# KiCad board CEM.kicad_pcb (continued)
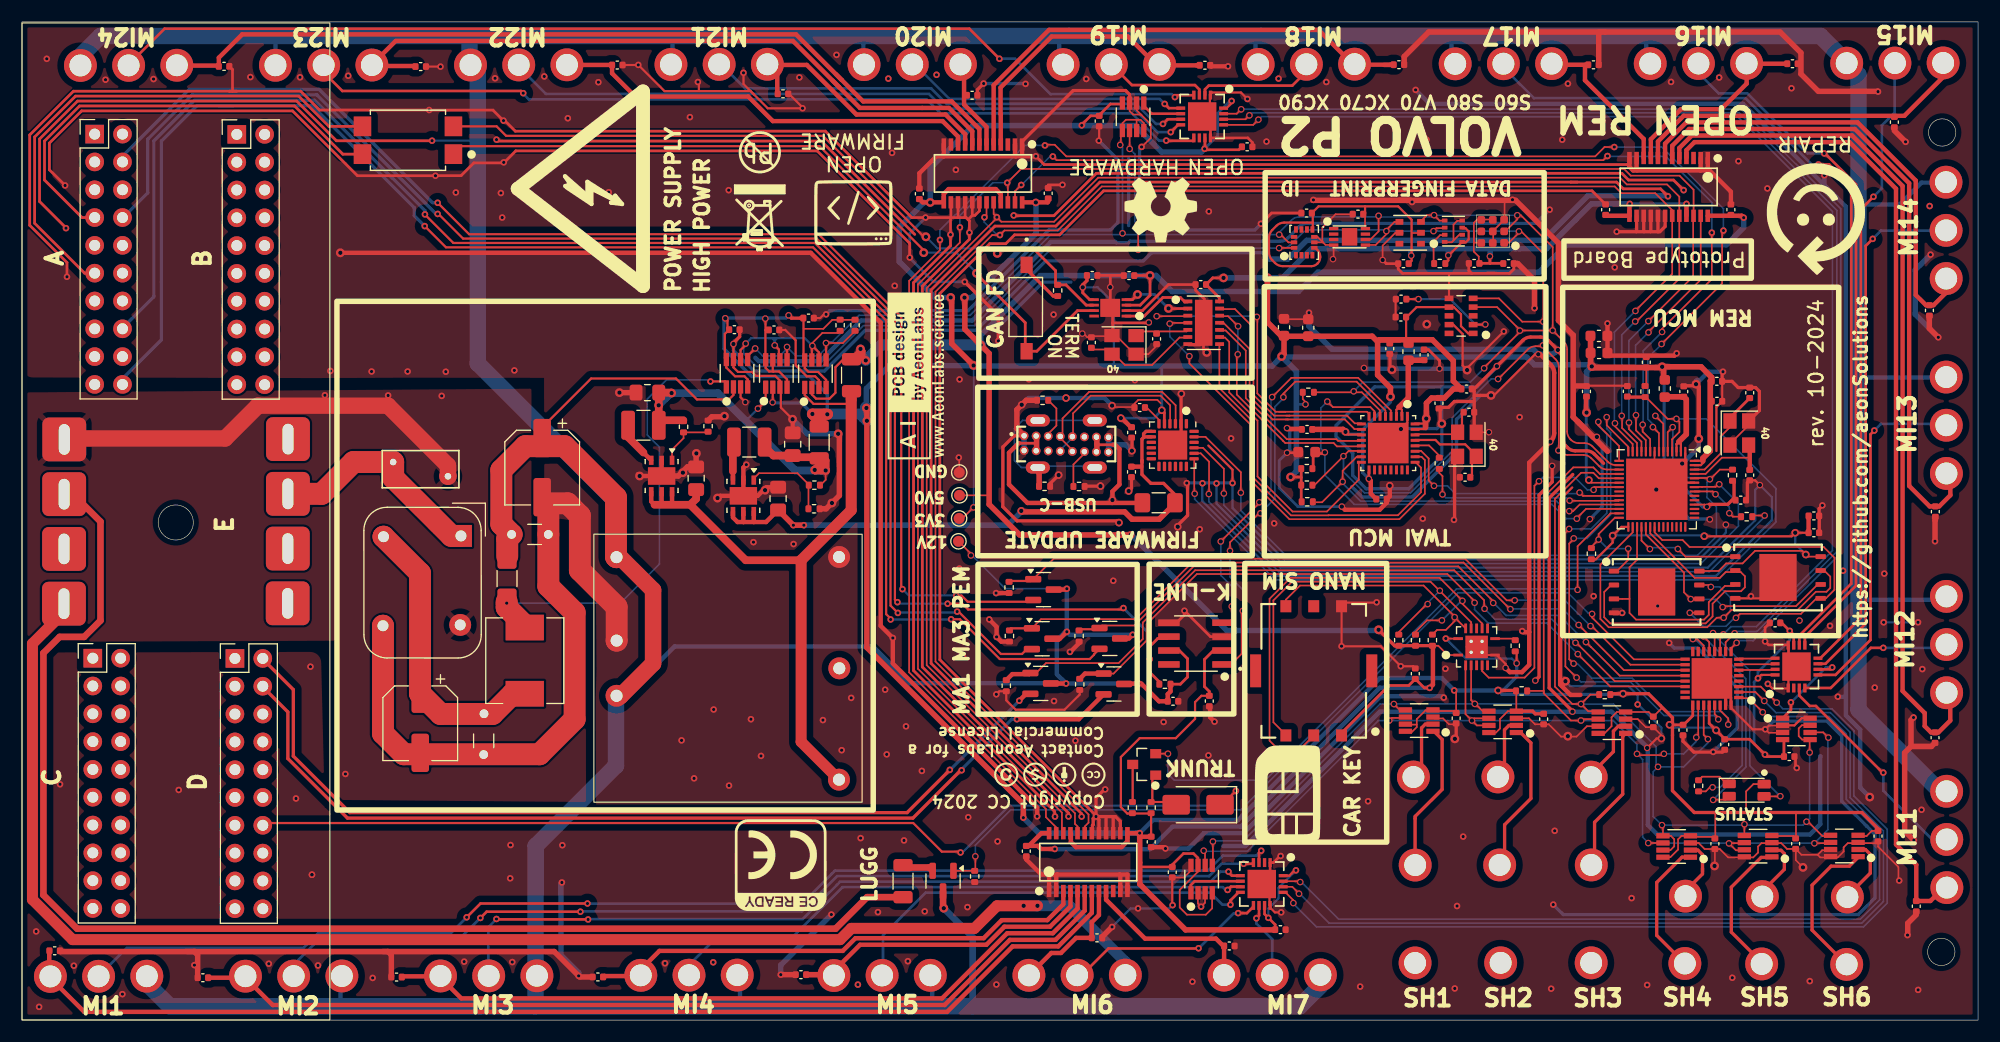
[diagram p0: board, top side]
## Routing (per net, layer and track width the routed paths; a pad name or vN(x,y) marks a point on that pad's centre or on a via; arc(x,y) is an arc through that point) (continued)
S3_I2C_SCL_5V0: length 39.2
  Top w0.15: J2.C3 115.35,26.06 114.21,27.2 114.21,38.34 115.91,40.04 128.55,40.04 132.26,36.34 TXS1.12 ; S3P52_R3.2 125.65,35.43 128.26,38.04
  Bottom w0.15: v4(128.29,38) 128.29,38.11 v4(129.4,39.22)
S3_I2C_SCL_C3: length 168.2
  Top w0.15: INA12.7 101.73,82.23 101.89,82.23 ; MPR3.1 74.92,61.84 v4(73.38,61.84) ; 127.59,72.89 128.22,73.52 v4(128.87,73.52) 129.37,73.02 129.77,73.02 129.81,72.98 ; 101.89,82.23 100.75,82.23 100.43,81.91 INA12.5 ; 101.89,82.23 102.09,82.23 102.39,81.93 102.39,81.16 ; U16.4 134.62,65.12 136.83,62.91 136.87,62.91 ; 135.31,72.07 135.41,72.07 136.47,73.14 v4(136.47,73.51) 136.79,73.51 139.7,70.6 v4(139.7,62.99) ; v4(100.23,79.93) 100.29,79.99 100.29,81.01 100.44,81.16 ; v4(133.44,59.54) 133.44,59.6 136.83,62.99 arc(136.83,62.99) 136.83,62.99 v4(139.7,62.99) ; 123.94,55.19 123.94,55.69 122.28,57.34 C3P6_R1.2 ; 122.61,71.3 123.07,71.3 123.81,72.04 123.81,73.38 ; v4(139.7,62.99) 140.72,61.97 arc(140.93,61.64) 141.01,61.26 141.01,53.77 arc(141.09,53.39) 141.3,53.06 141.38,52.99 arc(141.7,52.77) 142.08,52.7 142.62,52.7 arc(143,52.62) 143.32,52.4 144.74,50.99 arc(145.06,50.77) 145.45,50.69 145.76,50.69 ; v4(114.74,71.74) 114.88,71.74 115.59,71.03 116.06,71.03
  Top w0.2: v4(69.83,61.48) 69.83,60.31 ; v4(73.38,61.84) 73.39,61.83 INA2.5 ; 66.24,60.34 66.24,60.67 v4(66.92,61.34)
  Bottom w0.15: v4(121.54,57.43) 122.38,58.27 132.17,58.27 v4(133.44,59.54) ; v4(100.23,79.93) 100.44,79.72 v4(100.44,71.86) ; v4(100.44,71.86) 100.56,71.75 114.74,71.75 v4(114.74,71.74) 114.74,71.94 115.87,73.07 arc(116.19,73.28) 116.57,73.36 123.79,73.36 123.81,73.38 123.84,73.35 128.7,73.35 v4(128.87,73.52) 128.88,73.51 v4(136.47,73.51) 136.57,73.41 ; v4(100.44,71.86) 100.33,71.75 93.9,71.75 86.53,64.38 76.39,64.38 73.97,61.95 73.49,61.95 v4(73.38,61.84) 73.38,61.36 72.68,60.66 70.65,60.66 v4(69.83,61.48) 69.83,61.33 69.16,60.66 67.6,60.66 v4(66.92,61.34)
  Bottom w0.2: v4(69.83,61.48) 69.98,61.48 70.02,61.44
  vias: v4(123.81,73.46) v4(136.7,62.97)
S3_I2C_SDA: length 143.6
  Top w0.15: 145.75,49.89 144,49.89 143.41,50.48 141.58,50.48 138.88,47.78 138.88,38.82 ; v4(124.78,27.36) 125.02,27.6 126.18,27.6 INA4.6 ; v4(152.8,25.82) 152.8,25.92 152.98,26.1 KTS1.26 ; v4(163.58,16.15) 163.59,16.16 165.06,16.16 ; 138.88,38.65 138.88,38.82 ; 138.88,38.82 138.88,29.85 ; 107.76,15.44 107.97,15.23 107.97,14.06 ; v4(132.33,27.36) 131.74,27.95 131.74,32.39 TXS1.2 ; v4(132.33,27.36) 132.78,26.92 133.88,26.92 ; v4(132.33,27.36) 132.53,27.56 133.88,27.56 ; v4(148.42,16.17) 148.43,16.18 INA7.6 ; MPR6.1 138.88,30.07 138.88,29.85 ; 138.88,29.85 141.37,27.36 v4(142.28,27.36) 142.41,27.49 INA6.6 ; 163.18,26.28 164.38,26.28 v4(164.86,25.8) ; v4(147.39,24.32) 147.51,24.2 149.73,24.2 v4(149.85,24.32) ; 157.19,15.51 156.42,15.51 v4(155.79,16.14) 155.81,16.16 157.19,16.16
  Bottom w0.15: 148.39,16.23 147.91,16.72 147.91,23.81 v4(147.39,24.32) 147.39,25.19 145.22,27.36 v4(142.28,27.36) 124.6,27.36 124.47,27.23 ; 163.68,16.15 163.66,16.17 v4(148.42,16.17) ; v4(152.8,25.82) 152.8,25.46 151.66,24.32 v4(149.85,24.32) ; v4(163.58,16.15) 164.82,17.39 164.82,25.76 v4(164.86,25.8) ; v4(124.78,27.36) 123.78,27.36 111.84,15.42 107.78,15.42
  vias: v4(107.85,15.47)
S3_I2C_SDA_5VO: length 22.8
  Top w0.15: v4(130.75,36.8) 130.75,36.44 129.95,35.64 129.15,35.64 S3P52_R4.2 ; v4(130.75,36.8) 130.75,36.86 127.92,39.69 116.64,39.69 115.35,38.4 J2.C7 ; v4(130.75,36.8) 130.75,36.78 TXS1.13 ; J2.C7 115.2,37.95 115.2,38.15 ; J2.C7 115.53,37.98
S3_I2C_SDA_C3: length 183.3
  Top w0.15: 129.81,72.33 129.09,72.33 v4(128.82,72.06) ; v4(101.87,70.35) 101.87,72.61 v4(101.83,72.65) ; 145.75,50.29 144.66,50.29 arc(144.28,50.36) 143.96,50.58 143.21,51.33 arc(142.88,51.54) 142.5,51.62 141.04,51.62 arc(140.66,51.7) 140.33,51.91 v4(140.22,52.03) 140.26,52.07 140.26,59.64 arc(140.18,60.02) 139.97,60.35 138.82,61.5 v4(138.82,61.63) 138.74,61.55 138.13,61.55 arc(137.75,61.47) 137.43,61.25 134.73,58.56 v4(134.71,58.56) ; v4(114.73,70.51) 114.75,70.53 116.06,70.53 ; 122.61,70.8 123.54,70.8 124.53,71.79 124.53,72.17 125.25,72.89 125.62,72.89 ; C3P14_R1.2 117.95,48.86 121.08,51.99 122.24,51.99 ; v4(72.14,61.58) 72.14,61.85 73.05,62.76 74.48,62.76 MPR4.1 74.69,62.94 74.69,62.8 ; 101.09,81.16 v4(101.09,79.57) ; U16.5 134.79,65.92 136.92,63.79 v4(138.84,63.79) 138.84,70.02 136.82,72.04 v4(136.62,72.04) 136.62,71.92 135.72,71.02 135.31,71.02
  Top w0.2: 65.59,60.34 65.59,61.2 66.12,61.74 ; INA1.6 69.08,60.41 69.08,61.25 v4(68.7,61.63) ; INA2.6 72.74,60.98 v4(72.14,61.58) 72.09,61.53 INA2.7
  Bottom w0.15: v4(134.71,58.56) 134.08,58.56 130.53,55.01 130.53,51.97 126.72,48.16 122.52,48.16 120.61,50.07 v4(120.61,51.51) ; v4(66.05,61.79) 65.87,61.61 65.87,60.87 67.03,59.71 73.07,59.71 76.78,63.42 86.92,63.42 94,70.51 v4(114.73,70.51) 115.06,70.51 arc(115.44,70.59) 115.76,70.8 116.84,71.88 arc(117.16,72.09) 117.54,72.17 124.53,72.17 124.63,72.07 128.81,72.07 v4(128.82,72.06) 128.83,72.07 136.59,72.07 v4(136.62,72.04) 136.65,72.07 ; 138.84,63.84 138.82,63.82 v4(138.82,61.63) ; v4(101.09,79.57) 101.57,79.09 101.57,72.91 v4(101.83,72.65)
  Bottom w0.2: v4(72.14,61.58) 71.43,62.29 68.16,62.29 ; 68.16,62.29 66.55,62.29 v4(66.05,61.79) ; 68.16,62.29 68.45,62.29 68.7,62.04 v4(68.7,61.63) 68.7,62.06 68.92,62.28
  vias: v4(124.52,72.06)
S3_SPI2-MISO: length 156.2
  Top w0.15: 87.82,73.25 88.03,73.46 U10.19 ; 146.99,51.92 146.99,52.62 145.38,54.23 v4(145.38,54.51) ; U12.19 96.99,17.68 97.34,18.03 97.34,18.78 83.37,32.75 83.37,66.53 88.54,71.7 v3(89.25,71.7) 89.67,72.12 94.53,72.12 98.55,76.14 145.36,76.14 145.97,75.53 149.06,75.53 150.61,73.97 150.61,68.16 147.24,64.79
  Bottom w0.15: v4(145.38,54.51) 145.33,54.56 145.33,62.85 v4(147.25,64.77) ; 87.82,73.25 87.82,72.89 89.01,71.7 v3(89.25,71.7)
  vias: v3(87.84,73.32)
S3_SPI2-MOSI: length 161.6
  Top w0.15: v4(148.43,63.84) 152.52,67.93 152.52,73.42 U11.22 152.56,75.84 151.28,77.12 146.83,77.12 146.21,77.74 91.18,77.74 89.98,76.54 U10.22 ; U12.22 94.91,17.2 94.91,18.95 81.77,32.09 81.77,67.19 85.6,71.02 v3(85.6,72.4) ; 147.8,51.93 147.8,52.83 146.66,53.97 v4(146.66,54.57)
  Bottom w0.15: v4(148.43,63.84) 146.66,62.07 v4(146.66,54.57) ; v3(89.92,76.48) 88.61,76.48 85.6,73.47 v3(85.6,72.4)
S3_SPI2-SCK: length 157.1
  Top w0.15: v3(88.97,73.33) 89.38,72.92 94.2,72.92 98.22,76.94 145.84,76.94 146.46,76.33 150.14,76.33 151.26,75.2 U11.20 151.26,67.72 147.34,63.81 v4(147.23,63.81) ; v3(88.97,73.33) 88.68,73.62 U10.20 ; v3(88.97,73.33) 88.97,73.26 82.57,66.86 82.57,32.42 96.1,18.89 96.1,17.92 96.34,17.69 U12.20 ; v4(146,55.19) 146.03,55.16 146.03,54.08 147.39,52.71 147.39,51.92
  Bottom w0.15: 147.22,63.71 147.23,63.72 v4(147.23,63.81) 146,62.58 v4(146,55.19)
SIMCARD_RST: length 31.2
  Top w0.15: TXS1.5 133.26,31.89 133.86,31.28 137.14,31.28 138.03,32.17 138.03,48.8 v4(138.45,49.22) ; ESP32S1.21 143.51,48.68 143.33,48.5
  Bottom w0.15: v4(138.45,49.22) 138.79,49.56 141.73,49.56 142.86,48.43 v4(143.43,48.43)
SIMCARD_RST_5V0: length 45.9
  Top w0.15: TXS1.10 133.26,36.22 131.46,38.02 v4(131.46,38.29) 131.46,38.31 129.38,40.39 115.77,40.39 113.86,38.48 113.86,25.52 114.48,24.9 116.79,24.9 J2.C2 ; v4(129.59,36.51) 128.23,36.51 127.18,35.46 S3P52_R2.2
  Bottom w0.15: v4(129.59,36.51) 131.37,38.29 v4(131.46,38.29)
SPICLK: length 22.1
  Top w0.15: 164.16,39.79 163.88,39.79 161.9,37.81 155.3,37.81 v4(155.21,37.72) ; EPS1.6 152.32,38.47 v4(152.3,38.45) 151.68,39.07 151.68,40.87 150.44,42.12 150.44,42.12 148.2,44.36 ESP32S1.33
  Bottom w0.15: v4(152.3,38.45) 152.32,38.43 154.58,38.43 155.21,37.8 v4(155.21,37.72)
SPICS0: length 10.5
  Top w0.15: ESP32S1.32 147.8,43.8 v4(148.57,43.03) ; ESP_FLASH1.1 151.82,42.33 v4(151.12,43.03)
  Bottom w0.15: v4(148.57,43.03) 148.7,43.15 151,43.15 v4(151.12,43.03)
SPICS1: length 10
  Top w0.15: PSRAM_R1.1 143.23,43.23 v4(143.89,43.89) 143.89,44.4 145.37,45.88 ESP32S1.28 ; 146.62,43.16 146.59,43.13 146.59,42.04 145.56,41.01 EPS1.1
  Bottom w0.15: v4(146.59,43.06) 144.72,43.06 v4(143.89,43.89)
SPID: length 36.8
  Top w0.15: v4(156.42,36.74) 156.79,37.11 162.36,37.11 163.77,38.52 164.63,38.52 165.41,39.3 165.41,42.23 164.43,43.21 152.19,43.21 151.55,43.85 149.7,43.85 149,44.55 ESP32S1.35 ; v4(152.21,37.2) EPS1.5
  Bottom w0.15: v4(152.21,37.2) 153.44,35.97 155.52,35.97 156.29,36.74 v4(156.42,36.74)
SPIHD: length 40
  Top w0.15: ESP32S1.30 147,44.55 144.05,41.6 144.05,36.64 144.81,35.88 153.8,35.88 154.67,36.75 v4(155.3,36.75) 156.01,37.46 162.05,37.46 163.71,39.12 164.68,39.12 165.03,39.47 165.03,40.51 164.48,41.06 164.16,41.06 ; v4(154.13,39.56) 153.95,39.74 EPS1.7
  Bottom w0.15: v4(155.3,36.75) 155.32,36.75 155.91,37.34 155.91,38.6 154.95,39.56 v4(154.13,39.56)
SPIQ: length 31
  Top w0.15: ESP32S1.34 148.6,44.45 150.79,42.26 150.79,42.26 152.66,40.39 154.95,40.39 155.48,40.92 156.23,40.92 ESP_FLASH1.2 156.51,40.92 156.86,40.92 157.24,40.54 157.24,39.53 156.88,39.17 155.43,39.17 154.29,38.03 154.29,36.87 153.65,36.23 144.95,36.23 144.4,36.78 144.4,39.1 145.04,39.74 EPS1.2
SPIWP: length 21.5
  Top w0.15: ESP_FLASH1.3 156.23,39.65 155.42,39.65 153.94,38.17 153.94,37.01 153.51,36.58 147.31,36.58 146.71,37.18 146.71,38.47 ; 146.71,38.47 EPS1.3 ; 146.71,38.47 146.71,41.36 147.4,42.05 ESP32S1.31
TRUNK_BUTTON: length 93.9
  Top w0.2: 85.56,15.39 83.95,15.39 81.34,18 22.19,18 21.96,17.77 21.94,17.77 ; v3(110.79,20.94) 110.06,20.21 110.06,19.58
  Bottom w0.2: v3(110.79,20.94) 109.44,19.59 90.11,19.59 85.83,15.31 v3(85.66,15.31)
TRUNK_BUTTON_S3: length 56.9
  Top w0.15: ESP32S1.27 144.97,46.28 141.97,43.28 v4(141.97,39.3) ; NPN1.2 104.57,24.33
  Bottom w0.15: v4(104.59,24.33) 104.59,22.48 105.16,21.91 113.45,21.91 130.92,39.38 141.89,39.38 v4(141.97,39.3)
TXD0: length 62.2
  Top w0.15: v4(108.32,48.05) 108.34,48.07 108.34,51 107.58,51.77 106.98,51.77 ; S3P49_R1.1 158.02,46.09 v4(159.04,46.09)
  Bottom w0.15: 159.04,46 v4(159.04,46.09) 159.04,45.98 154.01,40.95 114.71,40.95 108.32,47.34 v4(108.32,48.05)
USB_5V0: length 59.7
  Top w0.3: 102.22,51.11 102.22,53.06 102.36,53.21 ; 102.22,51.11 102.22,49.84 103.03,49.02 104.19,49.02 105.27,47.94 105.27,47.24 ; 102.22,51.11 102.22,50.95 ; 102.36,53.21 102.36,53.55 102.59,53.77 103.09,53.77 ; 102.36,53.21 102.42,53.27 103.09,53.27
  Top w0.4: AUR1.5 65.84,45.5 65.85,45.49 ; AUR1.6 66.79,45.49 ; 66.79,45.49 65.85,45.49 ; 66.79,45.49 67.91,45.49 AUR_C2.1 ; 65.85,45.49 65.31,45.49 64.89,45.91 AUR1.4 ; 102.15,50.55 CHC1.1
  Top w0.5: 105.27,47.24 103.79,45.75 101.31,45.75 100.64,46.42 91.29,46.42 v1(91.2,46.51) ; AUR_C2.1 v3(70.4,45.2) v3(71.36,45.2)
  Bottom w0.5: v3(70.4,45.2) 73.59,45.2 ; v1(91.2,46.51) 91.2,46.44 89.97,45.21 71.37,45.21 v3(71.36,45.2)
USB_5V0F: length 28.3
  Top w0.25: 91.15,52.69 92.45,52.69 ; 99.61,52.55 98.31,52.55
  Top w0.4: 91.01,52.69 90.95,52.69 90.08,51.82 90.08,48.92 91.76,47.24 99.49,47.24 ; 99.49,47.24 102.3,47.24 ; 99.49,47.24 99.52,47.27 v1(99.52,47.5) 99.52,48.28 100.16,48.92 100.16,52.16 99.77,52.55 99.61,52.55
  Top w0.5: 98.1,53.24 98.1,51.88 ; 92.6,53.34 92.6,51.98
USB_D+: length 16.7
  Top w0.15: 94.97,53.15 94.97,54.95 97.39,57.38 104.06,57.38 105.29,56.15 105.29,54.47 ; 94.83,53.1 95.79,52.14
USB_D-: length 15.4
  Top w0.15: 104.79,54.47 104.79,56.16 103.91,57.03 97.54,57.03 95.93,55.42 95.93,53.37
  Bottom w0.15: 94.97,52.01 94.97,52.29 ; 95.93,53.25 95.93,53.37 ; 94.83,52.14 95.79,53.1
Net-(AUR1-FB): length 8
  Top w0.15: AUR1.1 66.79,49.47 67.27,49.95 70.77,49.95 71.78,48.94 AUR_R1.1
Net-(AUR1-SW): length 3.5
  Top w0.4: AUR1.3 64.89,50.12 64.88,50.13
  Top w0.7: 64.88,50.13 64.88,52.69 AUR_l1.2
Net-(AUR2-FB): length 5.2
  Top w0.15: AUR2.1 59.33,52.1 60.38,53.15 AUR_R4.2 62.56,53.68 AUR_R3.1
Net-(AUR2-SW): length 4.1
  Top w0.4: 56.72,51.84 AUR2.3
  Top w0.7: 56.72,51.84 55.32,53.24 AUR_l2.2
Net-(C1-Pad1): length 27
  Top w2: 46.1,29.79 44.78,29.79 42.95,27.96 38.2,27.96 C1.1 36.33,29.83 36.33,40.82 HLL1.2
Net-(DMP1045U_1-Pad2): length 2.9
  Top w0.6: DMP1045U_1.2 82.81,13.94 80.62,13.94 ER4.1
Net-(ESP32S1-U0TXD/PROG/GPIO43): length 5.5
  Top w0.15: 153.73,48.29 154.3,48.29 v4(154.56,48.03) ; 153.73,48.29 153.13,48.29 ; 153.13,48.29 153.12,48.29 ; 153.13,48.29 152.63,48.29 ; S3P49_R1.2 156.14,45.98 v4(155.82,46.3)
  Bottom w0.15: v4(154.56,48.03) 154.63,48.03 155.82,46.84 v4(155.82,46.3)
Net-(ESP32S1-VDD3P3-Pad2): length 8.2
  Top w0.2: 151,51.92 151,52.61 151.2,52.82 151.4,52.62 151.4,51.92
  Top w0.51: 151.2,52.82 151.89,53.5 151.89,56.7 S3P2_C2.1 149.96,56.93 S3P2_L1.2
Net-(ESP32S1-XTAL_N): length 7.9
  Top w0.15: 152.63,49.89 153.65,49.89 ; 157.66,51.37 155.13,51.37 153.65,49.89
  Top w0.4: 157.58,52.45 157.68,52.34 S3_XTAL40_C2.1
Net-(ESP32S1-XTAL_P): length 9.2
  Top w0.15: 155.92,54.63 155.92,54.2 155.03,53.31 155.03,51.76 153.56,50.29 ; 152.63,50.29 153.56,50.29
  Top w0.25: 157.63,56.75 157.63,56.77 S3_XTAL40_C1.1 155.88,55.02 S3_XTAL40_1.1
Net-(J1-CC1): length 3.9
  Top w0.15: 93.76,56.69 93.76,56.51 94.41,55.86 94.41,54.3 93.66,53.55 J1.A5
Net-(J1-CC2): length 3.6
  Top w0.15: USB_PLUG_R2.1 95.96,50.75 96.96,51.75 J1.B5
Net-(J1-SHIELD): length 20
  Top w0.5: USB_PLYG_R1.1 92.83,48.76 92.83,50 92.48,50.34
  Bottom w0.15: J1.S1 J1.S1 91.32,54.77 90.58,54.03 90.58,51.1 91.21,50.47 J1.S1 92.84,50.59 97.78,50.59 J1.S1
Net-(LED1-RA): length 3.2
  Top w0.15: LED1.3 155.58,21.58 154.93,22.23 153.33,22.23 RGB_R1.2
Net-(NPN1-Pad3): length 3.4
  Top w0.2: NPN1.3 101.37,19.95 TRUNK_R2.1
Net-(R1-Pad2): length 4.3
  Top w0.3: R1.2 94.12,66.13 91.69,68.56 S1.1A
Net-(TRUNK_D1-A): length 5.2
  Top w0.2: 105.5,19.63 105.38,19.63 105.09,19.92 TRUNK_R1.1 103.16,20.03 103.16,22.06 NPN1.1
Net-(TXS1-OE): length 1.9
  Top w0.15: TXR1.2 136.14,34.84 TXS1.8
Net-(U3-V3): length 2.1
  Top w0.15: CHC2.2 102.65,55.95 103.79,54.81 103.79,54.47
Net-(U4-U0TXD): length 2.8
  Top w0.15: 127.14,52.49 128.41,52.49 129.35,51.55 129.35,51.36
Net-(U4-VDD3P3): length 7.8
  Top w0.2: 125.94,55.19 125.94,55.75 125.69,56 125.44,55.75 125.44,55.19
  Top w0.5: 125.69,56 125.69,56 126.52,56.83 126.52,60.27 127.83,60.27
Net-(U4-XTAL_N): length 7.8
  Top w0.2: 132.53,51.09 132.33,50.9 132.33,49.73 C3XTAL40_C2.1 ; 132.45,51.5 132.45,51.86 131.72,52.59 129.4,52.59 129,52.99 127.14,52.99
Net-(U4-XTAL_P): length 6.4
  Top w0.15: 130.75,53.7 130.53,53.49 ; 127.14,53.51 130.83,53.51 131.02,53.7
  Top w0.2: 130.75,53.7 131.42,54.37 131.42,55.36 C3XTAL40_C1.1
Net-(U6-CANH): length 70.2
  Top w0.2: FL1.1 40.11,79.82 72.79,79.82 82.3,70.31 v2(82.3,70.09)
  Top w0.25: U6.7 96.33,64.8 92.62,61.09 91.56,61.09 91.56,63.7 87.12,68.14 v2(87.12,68.21) ; 39.67,79.38 FL1.1
  Bottom w0.2: v2(87.12,68.21) 87.12,68.24 85.27,70.09 v2(82.3,70.09)
Net-(U6-CANL): length 67.5
  Top w0.2: v2(82.5,71.54) 82.32,71.54 73.1,80.77 44.19,80.77 43.32,81.63 FL1.2 39.86,81.15
  Top w0.25: 97.76,65.3 97.13,65.3 95.28,67.15 R1.1 94.33,67.34 94.33,68.45 92.43,70.35 89.33,70.35 v2(89.01,70.03) ; 39.9,81.11 FL1.2
  Bottom w0.2: v2(89.01,70.03) 88.55,70.49 83.55,70.49 v2(82.5,71.54)
Net-(U7-CSB): length 3.2
  Top w0.15: 129.81,71.69 129.42,71.69 128.83,71.1 128.83,69.15 BMPR1.1
Net-(U16-CAP_RC): length 9.2
  Top w0.2: RV_C2.2 v4(127.45,65.85) ; U16.2 133.49,63.52
  Bottom w0.2: v4(133.55,63.54) 132.65,63.54 130.34,65.85 v4(127.45,65.85)
unconnected-(ESP32S1-GPIO1/ADC1_CH0-Pad6): length 3.6
  Top w0.15: 149.79,51.92 149.79,54.46 v4(149.07,55.19)
  Bottom w0.15: 149.02,55.24 v4(149.07,55.19)
unconnected-(ESP32S1-GPIO37-Pad42): length 0.2
  Top w0.15: ESP32S1.42 151.8,44.83
unconnected-(U1-PadC6): length 0
  Bottom w0.3: 8.45,20.32 8.49,20.32
unconnected-(U1-PadC20): length 0.4
  Bottom w0.3: 5.91,10.16 5.91,9.74
unconnected-(U1-PadD4): length 0.5
  Top w0.2: 21.94,25.39 22.48,25.39

## Copper pours and planes (outline as drawn; the poured copper is in the pictures)
GND on Top, Bottom: -1.14,58.7 26.69,58.64 34.65,58.67 47.65,58.66 47.67,46.03 50.01,45.65 50,41.29 52.39,38.63 52.43,32.04 52.37,29.49 52.37,26.94 52.4,19.52 27.64,19.37 27.29,33.63 -1.17,33.57 -1.64,-1.15 181.48,-1.49 181.48,93.54 -1.72,92.71
GND-BAT on Top, Bottom: -1.15,57.32 46.5,57.67 46.51,43.51 51.45,43.54 51.48,19.92 28.85,20.11 28.65,34.65 -1.16,34.54

Small or netless copper shapes (teardrops, artwork), in the pictures only: 420 on Top, 361 on Bottom

## Text on the board
F.Silkscreen: 40 | Contact AeonLabs for a / Commercial License | 5V0 | 3V3 | 12V | GND | STATUS | USB-C | TERM | Copyright CC 2024 | ON | https://github.com/aeonSolutions | S60 S80 V70 XC70 XC90 | DATA FINGERPRINT   ID | rev. 10-2024 | FIRMWARE | OPEN | HARDWARE | Prototype Board | REPAIR | POWER SUPPLY | HIGH POWER | LUGG | MA1 MA3 PEM | CAN FD | CAR KEY | FIRMWARE UPDATE | K-LINE | TRUNK | NANO SIM | TWAI MCU | REM MCU | OPEN REM | VOLVO P2
